# Altium PCB PCB1.PcbDoc (part 12 of 14)
Units mm, origin at the board's own origin, x right, y up, seen from the top; angles counter-clockwise.
Board outline 77.2 x 62.23 mm, 2 copper layers (Top Layer, Bottom Layer); 102 components, 131 nets, 23089 pads, 324 vias.
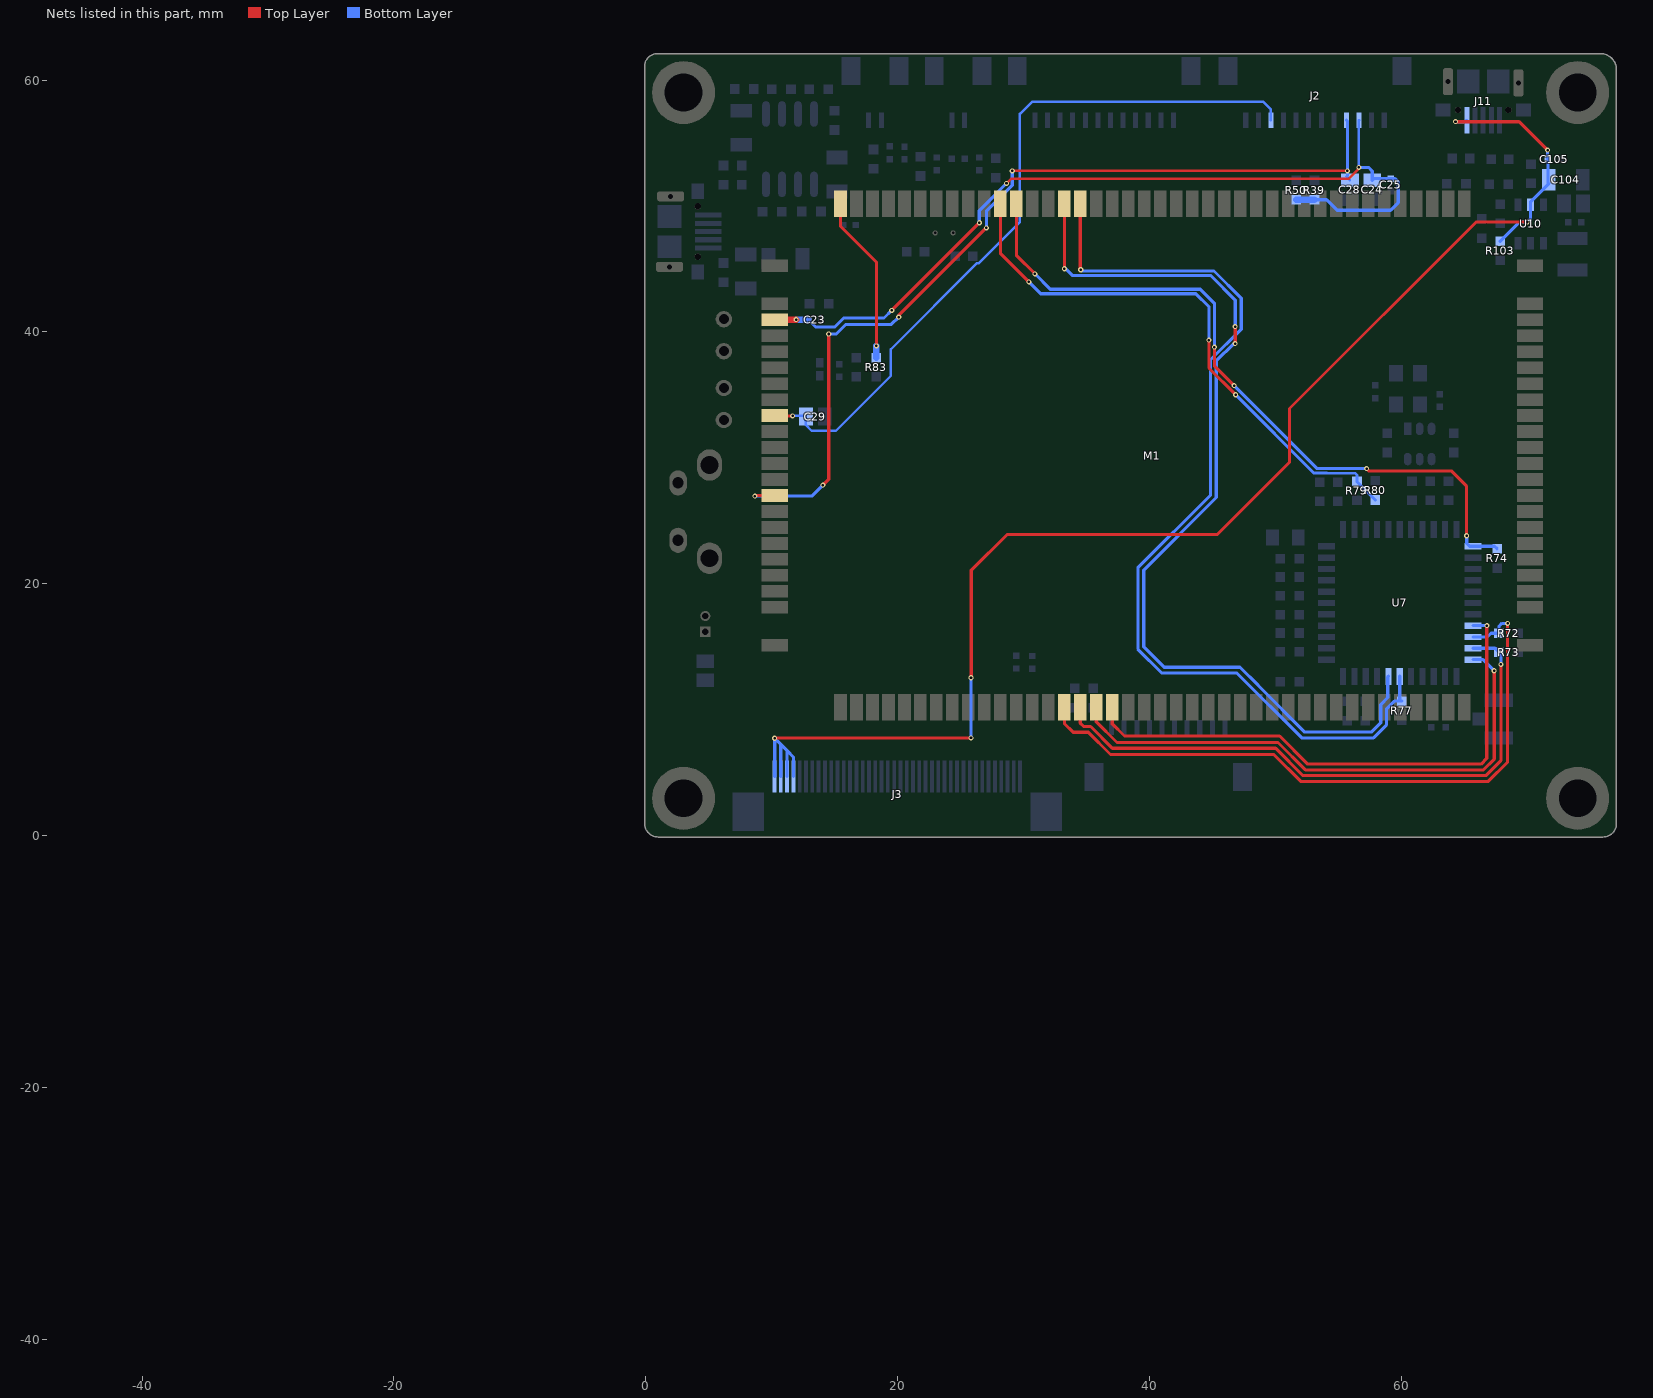
[diagram p12: the nets of this part, all layers, seen from the top]

## Free pads (board coordinates) (continued)
  round 0.001 on Mech2: 1(-45.292,-40.478) 1(-45.292,-40.478) 1(-45.292,-40.478) 1(-45.292,-40.476) 1(-45.292,-40.476) 1(-45.292,-40.476) 1(-45.292,-40.476) 1(-45.292,-40.476) 1(-45.292,-40.476) 1(-45.292,-40.474) 1(-45.292,-40.474) 1(-45.292,-40.474) 1(-45.292,-40.474) 1(-45.292,-40.474) 1(-45.292,-40.474) 1(-45.292,-40.473) 1(-45.292,-40.473) 1(-45.292,-40.473) 1(-45.291,-40.5) 1(-45.291,-40.5) 1(-45.291,-40.5) 1(-45.291,-40.495) 1(-45.291,-40.495) 1(-45.291,-40.495) 1(-45.289,-40.509) 1(-45.289,-40.509) 1(-45.289,-40.509) 1(-45.289,-40.507) 1(-45.289,-40.507) 1(-45.289,-40.507) 1(-45.289,-40.507) 1(-45.289,-40.507) 1(-45.289,-40.507) 1(-45.289,-40.507) 1(-45.289,-40.507) 1(-45.289,-40.507) 1(-45.289,-40.47) 1(-45.289,-40.47) 1(-45.289,-40.47) 1(-45.287,-40.479) 1(-45.287,-40.479) 1(-45.287,-40.479) 1(-45.287,-40.47) 1(-45.287,-40.47) 1(-45.287,-40.47) 1(-45.287,-40.49) 1(-45.287,-40.49) 1(-45.287,-40.49) 1(-45.287,-40.488) 1(-45.287,-40.488) 1(-45.287,-40.488) 1(-45.287,-40.485) 1(-45.287,-40.485) 1(-45.287,-40.485) 1(-45.287,-40.482) 1(-45.287,-40.482) 1(-45.287,-40.482) 1(-45.287,-40.48) 1(-45.287,-40.48) 1(-45.287,-40.48) 1(-45.287,-40.48) 1(-45.287,-40.48) 1(-45.287,-40.48) 1(-45.287,-40.481) 1(-45.287,-40.481) 1(-45.287,-40.481) 1(-45.286,-40.466) 1(-45.286,-40.466) 1(-45.286,-40.466) 1(-45.286,-40.47) 1(-45.286,-40.47) 1(-45.286,-40.47) 1(-45.286,-40.48) 1(-45.286,-40.48) 1(-45.286,-40.48) 1(-45.285,-40.493) 1(-45.285,-40.493) 1(-45.285,-40.493) 1(-45.285,-40.493) 1(-45.285,-40.493) 1(-45.285,-40.493) 1(-45.285,-40.492) 1(-45.285,-40.492) 1(-45.285,-40.492) 1(-45.285,-40.47) 1(-45.285,-40.47) 1(-45.285,-40.47) 1(-45.285,-40.47) 1(-45.285,-40.47) 1(-45.285,-40.47) 1(-45.285,-40.464) 1(-45.285,-40.464) 1(-45.285,-40.464) 1(-45.285,-40.464) 1(-45.285,-40.464) 1(-45.285,-40.464) 1(-45.285,-40.464) 1(-45.285,-40.464) 1(-45.285,-40.464) 1(-45.285,-40.47) 1(-45.285,-40.47) 1(-45.285,-40.47) 1(-45.285,-40.47) 1(-45.285,-40.47) 1(-45.285,-40.47) 1(-45.285,-40.494) 1(-45.285,-40.494) 1(-45.285,-40.494) 1(-45.284,-40.509) 1(-45.284,-40.509) 1(-45.284,-40.509) 1(-45.284,-40.466) 1(-45.284,-40.466) 1(-45.284,-40.466) 1(-45.284,-40.466) 1(-45.284,-40.466) 1(-45.284,-40.466) 1(-45.284,-40.501) 1(-45.284,-40.501) 1(-45.284,-40.501) 1(-45.284,-40.5) 1(-45.284,-40.5) 1(-45.284,-40.5) 1(-45.284,-40.472) 1(-45.284,-40.472) 1(-45.284,-40.472) 1(-45.284,-40.471) 1(-45.284,-40.471) 1(-45.284,-40.471) 1(-45.284,-40.47) 1(-45.284,-40.47) 1(-45.284,-40.47) 1(-45.284,-40.47) 1(-45.284,-40.47) 1(-45.284,-40.47) 1(-45.284,-40.467) 1(-45.284,-40.467) 1(-45.284,-40.467) 1(-45.284,-40.466) 1(-45.284,-40.466) 1(-45.284,-40.466) 1(-45.284,-40.466) 1(-45.284,-40.466) 1(-45.284,-40.466) 1(-45.284,-40.466) 1(-45.284,-40.466) 1(-45.284,-40.466) 1(-45.284,-40.465) 1(-45.284,-40.465) 1(-45.284,-40.465) 1(-45.284,-40.464) 1(-45.284,-40.464) 1(-45.284,-40.464) 1(-45.283,-40.509) 1(-45.283,-40.509) 1(-45.283,-40.509) 1(-45.283,-40.474) 1(-45.283,-40.474) 1(-45.283,-40.474) 1(-45.283,-40.472) 1(-45.283,-40.472) 1(-45.283,-40.472) 1(-45.283,-40.472) 1(-45.283,-40.472) 1(-45.283,-40.472) 1(-45.283,-40.501) 1(-45.283,-40.501) 1(-45.283,-40.501) 1(-45.283,-40.5) 1(-45.283,-40.5) 1(-45.283,-40.5) 1(-45.283,-40.472) 1(-45.283,-40.472) 1(-45.283,-40.472) 1(-45.283,-40.472) 1(-45.283,-40.472) 1(-45.283,-40.472) 1(-45.283,-40.471) 1(-45.283,-40.471) 1(-45.283,-40.471) 1(-45.283,-40.467) 1(-45.283,-40.467) 1(-45.283,-40.467) 1(-45.283,-40.467) 1(-45.283,-40.467) 1(-45.283,-40.467) 1(-45.283,-40.467) 1(-45.283,-40.467) 1(-45.283,-40.467) 1(-45.283,-40.466) 1(-45.283,-40.466) 1(-45.283,-40.466) 1(-45.283,-40.466) 1(-45.283,-40.466) 1(-45.283,-40.466) 1(-45.283,-40.465) 1(-45.283,-40.465) 1(-45.283,-40.465) 1(-45.282,-40.464) 1(-45.282,-40.464) 1(-45.282,-40.464) 1(-45.282,-40.486) 1(-45.282,-40.486) 1(-45.282,-40.486) 1(-45.282,-40.485) 1(-45.282,-40.485) 1(-45.282,-40.485) 1(-45.282,-40.494) 1(-45.282,-40.494) 1(-45.282,-40.494) 1(-45.282,-40.493) 1(-45.282,-40.493) 1(-45.282,-40.493) 1(-45.282,-40.493) 1(-45.282,-40.493) 1(-45.282,-40.493) 1(-45.282,-40.482) 1(-45.282,-40.482) 1(-45.282,-40.482) 1(-45.282,-40.481) 1(-45.282,-40.481) 1(-45.282,-40.481) 1(-45.282,-40.481) 1(-45.282,-40.481) 1(-45.282,-40.481) 1(-45.282,-40.509) 1(-45.282,-40.509) 1(-45.282,-40.509) 1(-45.282,-40.481) 1(-45.282,-40.481) 1(-45.282,-40.481) 1(-45.282,-40.473) 1(-45.282,-40.473) 1(-45.282,-40.473) 1(-45.282,-40.473) 1(-45.282,-40.473) 1(-45.282,-40.473) 1(-45.282,-40.472) 1(-45.282,-40.472) 1(-45.282,-40.472) 1(-45.282,-40.472) 1(-45.282,-40.472) 1(-45.282,-40.472) 1(-45.282,-40.471) 1(-45.282,-40.471) 1(-45.282,-40.471) 1(-45.282,-40.467) 1(-45.282,-40.467) 1(-45.282,-40.467) 1(-45.282,-40.466) 1(-45.282,-40.466) 1(-45.282,-40.466) 1(-45.282,-40.465) 1(-45.282,-40.465) 1(-45.282,-40.465) 1(-45.282,-40.465) 1(-45.282,-40.465) 1(-45.282,-40.465) 1(-45.282,-40.465) 1(-45.282,-40.465) 1(-45.282,-40.465) 1(-45.282,-40.481) 1(-45.282,-40.481) 1(-45.282,-40.481) 1(-45.281,-40.487) 1(-45.281,-40.487) 1(-45.281,-40.487) 1(-45.281,-40.487) 1(-45.281,-40.487) 1(-45.281,-40.487) 1(-45.281,-40.474) 1(-45.281,-40.474) 1(-45.281,-40.474) 1(-45.281,-40.473) 1(-45.281,-40.473) 1(-45.281,-40.473) 1(-45.281,-40.473) 1(-45.281,-40.473) 1(-45.281,-40.473) 1(-45.281,-40.477) 1(-45.281,-40.477) 1(-45.281,-40.477) 1(-45.281,-40.477) 1(-45.281,-40.477) 1(-45.281,-40.477) 1(-45.281,-40.477) 1(-45.281,-40.477) 1(-45.281,-40.477) 1(-45.281,-40.493) 1(-45.281,-40.493) 1(-45.281,-40.493) 1(-45.281,-40.493) 1(-45.281,-40.493) 1(-45.281,-40.493) 1(-45.281,-40.509) 1(-45.281,-40.509) 1(-45.281,-40.509) 1(-45.281,-40.509) 1(-45.281,-40.509) 1(-45.281,-40.509) 1(-45.281,-40.482) 1(-45.281,-40.482) 1(-45.281,-40.482) 1(-45.281,-40.485) 1(-45.281,-40.485) 1(-45.281,-40.485) 1(-45.281,-40.485) 1(-45.281,-40.485) 1(-45.281,-40.485) 1(-45.281,-40.464) 1(-45.281,-40.464) 1(-45.281,-40.464) 1(-45.281,-40.481) 1(-45.281,-40.481) 1(-45.281,-40.481) 1(-45.28,-40.509) 1(-45.28,-40.509) 1(-45.28,-40.509) 1(-45.28,-40.472) 1(-45.28,-40.472) 1(-45.28,-40.472) 1(-45.28,-40.472) 1(-45.28,-40.472) 1(-45.28,-40.472) 1(-45.28,-40.472) 1(-45.28,-40.472) 1(-45.28,-40.472) 1(-45.28,-40.471) 1(-45.28,-40.471) 1(-45.28,-40.471) 1(-45.28,-40.47) 1(-45.28,-40.47) 1(-45.28,-40.47) 1(-45.28,-40.47) 1(-45.28,-40.47) 1(-45.28,-40.47) 1(-45.28,-40.467) 1(-45.28,-40.467) 1(-45.28,-40.467) 1(-45.28,-40.466) 1(-45.28,-40.466) 1(-45.28,-40.466) 1(-45.28,-40.465) 1(-45.28,-40.465) 1(-45.28,-40.465) 1(-45.28,-40.464) 1(-45.28,-40.464) 1(-45.28,-40.464) 1(-45.28,-40.464) 1(-45.28,-40.464) 1(-45.28,-40.464) 1(-45.28,-40.472) 1(-45.28,-40.472) 1(-45.28,-40.472) 1(-45.28,-40.472) 1(-45.28,-40.472) 1(-45.28,-40.472) 1(-45.28,-40.487) 1(-45.28,-40.487) 1(-45.28,-40.487) 1(-45.28,-40.487) 1(-45.28,-40.487) 1(-45.28,-40.487) 1(-45.28,-40.486) 1(-45.28,-40.486) 1(-45.28,-40.486) 1(-45.28,-40.487) 1(-45.28,-40.487) 1(-45.28,-40.487) 1(-45.28,-40.487) 1(-45.28,-40.487) 1(-45.28,-40.487) 1(-45.28,-40.477) 1(-45.28,-40.477) 1(-45.28,-40.477) 1(-45.28,-40.477) 1(-45.28,-40.477) 1(-45.28,-40.477) 1(-45.279,-40.493) 1(-45.279,-40.493) 1(-45.279,-40.493) 1(-45.279,-40.478) 1(-45.279,-40.478) 1(-45.279,-40.478) 1(-45.279,-40.478) 1(-45.279,-40.478) 1(-45.279,-40.478) 1(-45.279,-40.508) 1(-45.279,-40.508) 1(-45.279,-40.508) 1(-45.278,-40.478) 1(-45.278,-40.478) 1(-45.278,-40.478) 1(-45.278,-40.478) 1(-45.278,-40.478) 1(-45.278,-40.478) 1(-45.278,-40.472) 1(-45.278,-40.472) 1(-45.278,-40.472) 1(-45.278,-40.472) 1(-45.278,-40.472) 1(-45.278,-40.472) 1(-45.278,-40.469) 1(-45.278,-40.469) 1(-45.278,-40.469) 1(-45.278,-40.469) 1(-45.278,-40.469) 1(-45.278,-40.469) 1(-45.278,-40.487) 1(-45.278,-40.487) 1(-45.278,-40.487) 1(-45.278,-40.487) 1(-45.278,-40.487) 1(-45.278,-40.487) 1(-45.278,-40.486) 1(-45.278,-40.486) 1(-45.278,-40.486) 1(-45.278,-40.474) 1(-45.278,-40.474) 1(-45.278,-40.474) 1(-45.278,-40.474) 1(-45.278,-40.474) 1(-45.278,-40.474) 1(-45.278,-40.473) 1(-45.278,-40.473) 1(-45.278,-40.473) 1(-45.278,-40.473) 1(-45.278,-40.473) 1(-45.278,-40.473) 1(-45.278,-40.472) 1(-45.278,-40.472) 1(-45.278,-40.472) 1(-45.278,-40.472) 1(-45.278,-40.472) 1(-45.278,-40.472) 1(-45.278,-40.475) 1(-45.278,-40.475) 1(-45.278,-40.475) 1(-45.278,-40.485) 1(-45.278,-40.485) 1(-45.278,-40.485) 1(-45.278,-40.485) 1(-45.278,-40.485) 1(-45.278,-40.485) 1(-45.278,-40.508) 1(-45.278,-40.508) 1(-45.278,-40.508) 1(-45.277,-40.475) 1(-45.277,-40.475) 1(-45.277,-40.475) 1(-45.277,-40.487) 1(-45.277,-40.487) 1(-45.277,-40.487) 1(-45.277,-40.485) 1(-45.277,-40.485) 1(-45.277,-40.485) 1(-45.277,-40.475) 1(-45.277,-40.475) 1(-45.277,-40.475) 1(-45.277,-40.475) 1(-45.277,-40.475) 1(-45.277,-40.475) 1(-45.277,-40.473) 1(-45.277,-40.473) 1(-45.277,-40.473) 1(-45.276,-40.48) 1(-45.276,-40.48) 1(-45.276,-40.48) 1(-45.276,-40.48) 1(-45.276,-40.48) 1(-45.276,-40.48) 1(-45.275,-40.485) 1(-45.275,-40.485) 1(-45.275,-40.485) 1(-45.275,-40.484) 1(-45.275,-40.484) 1(-45.275,-40.484) 1(-45.274,-40.516) 1(-45.274,-40.516) 1(-45.274,-40.516) 1(-45.274,-40.511) 1(-45.274,-40.511) 1(-45.274,-40.511) 1(-45.271,-40.503) 1(-45.271,-40.503) 1(-45.271,-40.503) 1(-45.271,-40.507) 1(-45.271,-40.507) 1(-45.271,-40.507) 1(-45.271,-40.505) 1(-45.271,-40.505) 1(-45.271,-40.505) 1(-45.271,-40.502) 1(-45.271,-40.502) 1(-45.271,-40.502) 1(-45.271,-40.5) 1(-45.271,-40.5) 1(-45.271,-40.5) 1(-45.271,-40.48) 1(-45.271,-40.48) 1(-45.271,-40.48) 1(-45.271,-40.48) 1(-45.271,-40.48) 1(-45.271,-40.48) 1(-45.271,-40.508) 1(-45.271,-40.508) 1(-45.271,-40.508) 1(-45.271,-40.508) 1(-45.271,-40.508) 1(-45.271,-40.508) 1(-45.271,-40.508) 1(-45.271,-40.508) 1(-45.271,-40.508) 1(-45.27,-40.509) 1(-45.27,-40.509) 1(-45.27,-40.509) 1(-45.27,-40.504) 1(-45.27,-40.504) 1(-45.27,-40.504) 1(-45.27,-40.503) 1(-45.27,-40.503) 1(-45.27,-40.503) 1(-45.27,-40.503) 1(-45.27,-40.503) 1(-45.27,-40.503) 1(-45.27,-40.503) 1(-45.27,-40.503) 1(-45.27,-40.503) 1(-45.27,-40.503) 1(-45.27,-40.503) 1(-45.27,-40.503) 1(-45.269,-40.516) 1(-45.269,-40.516) 1(-45.269,-40.516) 1(-45.269,-40.516) 1(-45.269,-40.516) 1(-45.269,-40.516) 1(-45.269,-40.515) 1(-45.269,-40.515) 1(-45.269,-40.515) 1(-45.268,-40.516) 1(-45.268,-40.516) 1(-45.268,-40.516) 1(-45.268,-40.516) 1(-45.268,-40.516) 1(-45.268,-40.516) 1(-45.268,-40.477) 1(-45.268,-40.477) 1(-45.268,-40.477) 1(-45.268,-40.477) 1(-45.268,-40.477) 1(-45.268,-40.477) 1(-45.268,-40.477) 1(-45.268,-40.477) 1(-45.268,-40.477) 1(-45.267,-40.516) 1(-45.267,-40.516) 1(-45.267,-40.516) 1(-45.267,-40.516) 1(-45.267,-40.516) 1(-45.267,-40.516) 1(-45.267,-40.516) 1(-45.267,-40.516) 1(-45.267,-40.516) 1(-45.267,-40.516) 1(-45.267,-40.516) 1(-45.267,-40.516) 1(-45.267,-40.516) 1(-45.267,-40.516) 1(-45.267,-40.516) 1(-45.267,-40.515) 1(-45.267,-40.515) 1(-45.267,-40.515) 1(-45.265,-40.516) 1(-45.265,-40.516) 1(-45.265,-40.516) 1(-45.265,-40.516) 1(-45.265,-40.516) 1(-45.265,-40.516) 1(-45.265,-40.516) 1(-45.265,-40.516) 1(-45.265,-40.516) 1(-45.265,-40.516) 1(-45.265,-40.516) 1(-45.265,-40.516) 1(-45.265,-40.516) 1(-45.265,-40.516) 1(-45.265,-40.516) 1(-45.265,-40.515) 1(-45.265,-40.515) 1(-45.265,-40.515) 1(-45.263,-40.516) 1(-45.263,-40.516) 1(-45.263,-40.516) 1(-45.263,-40.516) 1(-45.263,-40.516) 1(-45.263,-40.516) 1(-45.263,-40.516) 1(-45.263,-40.516) 1(-45.263,-40.516) 1(-45.263,-40.516) 1(-45.263,-40.516) 1(-45.263,-40.516) 1(-45.263,-40.515) 1(-45.263,-40.515) 1(-45.263,-40.515) 1(-45.263,-40.5) 1(-45.263,-40.5) 1(-45.263,-40.5) 1(-45.262,-40.5) 1(-45.262,-40.5) 1(-45.262,-40.5) 1(-45.262,-40.5) 1(-45.262,-40.5) 1(-45.262,-40.5) 1(-45.262,-40.501) 1(-45.262,-40.501) 1(-45.262,-40.501) 1(-45.26,-40.512) 1(-45.26,-40.512) 1(-45.26,-40.512) 1(-45.259,-40.516) 1(-45.259,-40.516) 1(-45.259,-40.516) 1(-45.258,-40.516) 1(-45.258,-40.516) 1(-45.258,-40.516) 1(-45.258,-40.516) 1(-45.258,-40.516) 1(-45.258,-40.516) 1(-45.258,-40.513) 1(-45.258,-40.513) 1(-45.258,-40.513) 1(-45.258,-40.512) 1(-45.258,-40.512) 1(-45.258,-40.512) 1(-45.258,-40.516) 1(-45.258,-40.516) 1(-45.258,-40.516) 1(-45.258,-40.516) 1(-45.258,-40.516) 1(-45.258,-40.516) 1(-45.258,-40.516) 1(-45.258,-40.516) 1(-45.258,-40.516) 1(-45.257,-40.508) 1(-45.257,-40.508) 1(-45.257,-40.508) 1(-45.257,-40.507) 1(-45.257,-40.507) 1(-45.257,-40.507) 1(-45.257,-40.507) 1(-45.257,-40.507) 1(-45.257,-40.507) 1(-45.257,-40.504) 1(-45.257,-40.504) 1(-45.257,-40.504) 1(-45.257,-40.504) 1(-45.257,-40.504) 1(-45.257,-40.504) 1(-45.257,-40.503) 1(-45.257,-40.503) 1(-45.257,-40.503) 1(-45.257,-40.507) 1(-45.257,-40.507) 1(-45.257,-40.507) 1(-45.257,-40.507) 1(-45.257,-40.507) 1(-45.257,-40.507) 1(-45.257,-40.504) 1(-45.257,-40.504) 1(-45.257,-40.504) 1(-45.257,-40.504) 1(-45.257,-40.504) 1(-45.257,-40.504) 1(-45.257,-40.507) 1(-45.257,-40.507) 1(-45.257,-40.507) 1(-45.257,-40.504) 1(-45.257,-40.504) 1(-45.257,-40.504) 1(-45.257,-40.504) 1(-45.257,-40.504) 1(-45.257,-40.504) 1(-45.257,-40.503) 1(-45.257,-40.503) 1(-45.257,-40.503) 1(-45.254,-40.513) 1(-45.254,-40.513) 1(-45.254,-40.513) 1(-45.254,-40.515) 1(-45.254,-40.515) 1(-45.254,-40.515) 1(-45.254,-40.513) 1(-45.254,-40.513) 1(-45.254,-40.513) 1(-45.254,-40.513) 1(-45.254,-40.513) 1(-45.254,-40.513) 1(-45.252,-40.516) 1(-45.252,-40.516) 1(-45.252,-40.516) 1(-45.252,-40.516) 1(-45.252,-40.516) 1(-45.252,-40.516) 1(-45.252,-40.516) 1(-45.252,-40.516) 1(-45.252,-40.516) 1(-45.252,-40.516) 1(-45.252,-40.516) 1(-45.252,-40.516) 1(-45.252,-40.515) 1(-45.252,-40.515) 1(-45.252,-40.515) 1(-45.247,-40.496) 1(-45.247,-40.496) 1(-45.247,-40.496) 1(-45.247,-40.496) 1(-45.247,-40.496) 1(-45.247,-40.496) 1(-45.247,-40.494) 1(-45.247,-40.494) 1(-45.247,-40.494) 1(-45.247,-40.506) 1(-45.247,-40.506) 1(-45.247,-40.506) 1(-45.247,-40.503) 1(-45.247,-40.503) 1(-45.247,-40.503) 1(-45.247,-40.503) 1(-45.247,-40.503) 1(-45.247,-40.503) 1(-45.247,-40.503) 1(-45.247,-40.503) 1(-45.247,-40.503) 1(-45.246,-40.497) 1(-45.246,-40.497) 1(-45.246,-40.497) 1(-45.246,-40.497) 1(-45.246,-40.497) 1(-45.246,-40.497) 1(-45.245,-40.497) 1(-45.245,-40.497) 1(-45.245,-40.497) 1(-45.245,-40.497) 1(-45.245,-40.497) 1(-45.245,-40.497) 1(-45.243,-40.501) 1(-45.243,-40.501) 1(-45.243,-40.501) 1(-45.243,-40.506) 1(-45.243,-40.506) 1(-45.243,-40.506) 1(-45.243,-40.506) 1(-45.243,-40.506) 1(-45.243,-40.506) 1(-45.243,-40.509) 1(-45.243,-40.509) 1(-45.243,-40.509) 1(-45.243,-40.507) 1(-45.243,-40.507) 1(-45.243,-40.507) 1(-45.243,-40.507) 1(-45.243,-40.507) 1(-45.243,-40.507) 1(-45.243,-40.507) 1(-45.243,-40.507) 1(-45.243,-40.507) 1(-45.243,-40.507) 1(-45.243,-40.507) 1(-45.243,-40.507) 1(-45.243,-40.506) 1(-45.243,-40.506) 1(-45.243,-40.506) 1(-45.243,-40.506) 1(-45.243,-40.506) 1(-45.243,-40.506) 1(-45.243,-40.506) 1(-45.243,-40.506) 1(-45.243,-40.506) 1(-45.243,-40.506) 1(-45.243,-40.506) 1(-45.243,-40.506) 1(-45.243,-40.503) 1(-45.243,-40.503) 1(-45.243,-40.503) 1(-45.243,-40.503) 1(-45.243,-40.503) 1(-45.243,-40.503) 1(-45.243,-40.503) 1(-45.243,-40.503) 1(-45.243,-40.503) 1(-45.243,-40.503) 1(-45.243,-40.503) 1(-45.243,-40.503) 1(-45.243,-40.501) 1(-45.243,-40.501) 1(-45.243,-40.501) 1(-45.243,-40.501) 1(-45.243,-40.501) 1(-45.243,-40.501) 1(-45.242,-40.473) 1(-45.242,-40.473) 1(-45.242,-40.473) 1(-45.241,-40.495) 1(-45.241,-40.495) 1(-45.241,-40.495) 1(-45.241,-40.495) 1(-45.241,-40.495) 1(-45.241,-40.495) 1(-45.241,-40.495) 1(-45.241,-40.495) 1(-45.241,-40.495) 1(-45.241,-40.473) 1(-45.241,-40.473) 1(-45.241,-40.473) 1(-45.24,-40.497) 1(-45.24,-40.497) 1(-45.24,-40.497) 1(-45.24,-40.497) 1(-45.24,-40.497) 1(-45.24,-40.497) 1(-45.24,-40.499) 1(-45.24,-40.499) 1(-45.24,-40.499) 1(-45.24,-40.499) 1(-45.24,-40.499) 1(-45.24,-40.499) 1(-45.24,-40.497) 1(-45.24,-40.497) 1(-45.24,-40.497) 1(-45.24,-40.497) 1(-45.24,-40.497) 1(-45.24,-40.497) 1(-45.24,-40.5) 1(-45.24,-40.5) 1(-45.24,-40.5) 1(-45.24,-40.5) 1(-45.24,-40.5) 1(-45.24,-40.5) 1(-45.24,-40.5) 1(-45.24,-40.5) 1(-45.24,-40.5) 1(-45.24,-40.5) 1(-45.24,-40.5) 1(-45.24,-40.5) 1(-45.239,-40.514) 1(-45.239,-40.514) 1(-45.239,-40.514) 1(-45.239,-40.514) 1(-45.239,-40.514) 1(-45.239,-40.514) 1(-45.239,-40.511) 1(-45.239,-40.511) 1(-45.239,-40.511) 1(-45.239,-40.514) 1(-45.239,-40.514) 1(-45.239,-40.514) 1(-45.239,-40.514) 1(-45.239,-40.514) 1(-45.239,-40.514) 1(-45.239,-40.495) 1(-45.239,-40.495) 1(-45.239,-40.495) 1(-45.238,-40.514) 1(-45.238,-40.514) 1(-45.238,-40.514) 1(-45.238,-40.5) 1(-45.238,-40.5) 1(-45.238,-40.5) 1(-45.238,-40.5) 1(-45.238,-40.5) 1(-45.238,-40.5) 1(-45.238,-40.514) 1(-45.238,-40.514) 1(-45.238,-40.514) 1(-45.238,-40.513) 1(-45.238,-40.513) 1(-45.238,-40.513) 1(-45.237,-40.501) 1(-45.237,-40.501) 1(-45.237,-40.501) 1(-45.237,-40.501) 1(-45.237,-40.501) 1(-45.237,-40.501) 1(-45.237,-40.514) 1(-45.237,-40.514) 1(-45.237,-40.514) 1(-45.237,-40.513) 1(-45.237,-40.513) 1(-45.237,-40.513) 1(-45.237,-40.513) 1(-45.237,-40.513) 1(-45.237,-40.513) 1(-45.236,-40.513) 1(-45.236,-40.513) 1(-45.236,-40.513) 1(-45.236,-40.513) 1(-45.236,-40.513) 1(-45.236,-40.513) 1(-45.236,-40.511) 1(-45.236,-40.511) 1(-45.236,-40.511) 1(-45.236,-40.511) 1(-45.236,-40.511) 1(-45.236,-40.511) 1(-45.236,-40.502) 1(-45.236,-40.502) 1(-45.236,-40.502) 1(-45.236,-40.502) 1(-45.236,-40.502) 1(-45.236,-40.502) 1(-45.236,-40.495) 1(-45.236,-40.495) 1(-45.236,-40.495) 1(-45.234,-40.495) 1(-45.234,-40.495) 1(-45.234,-40.495) 1(-45.234,-40.495) 1(-45.234,-40.495) 1(-45.234,-40.495) 1(-45.233,-40.494) 1(-45.233,-40.494) 1(-45.233,-40.494) 1(-45.233,-40.493) 1(-45.233,-40.493) 1(-45.233,-40.493) 1(-45.233,-40.499) 1(-45.233,-40.499) 1(-45.233,-40.499) 1(-45.233,-40.497) 1(-45.233,-40.497) 1(-45.233,-40.497) 1(-45.233,-40.497) 1(-45.233,-40.497) 1(-45.233,-40.497) 1(-45.233,-40.495) 1(-45.233,-40.495) 1(-45.233,-40.495) 1(-45.233,-40.495) 1(-45.233,-40.495) 1(-45.233,-40.495) 1(-45.233,-40.497) 1(-45.233,-40.497) 1(-45.233,-40.497) 1(-45.233,-40.495) 1(-45.233,-40.495) 1(-45.233,-40.495) 1(-45.232,-40.494) 1(-45.232,-40.494) 1(-45.232,-40.494) 1(-45.232,-40.493) 1(-45.232,-40.493) 1(-45.232,-40.493) 1(-45.232,-40.491) 1(-45.232,-40.491) 1(-45.232,-40.491) 1(-45.232,-40.491) 1(-45.232,-40.491) 1(-45.232,-40.491) 1(-45.232,-40.499) 1(-45.232,-40.499) 1(-45.232,-40.499) 1(-45.232,-40.498) 1(-45.232,-40.498) 1(-45.232,-40.498) 1(-45.232,-40.498) 1(-45.232,-40.498) 1(-45.232,-40.498) 1(-45.231,-40.497) 1(-45.231,-40.497) 1(-45.231,-40.497) 1(-45.231,-40.497) 1(-45.231,-40.497) 1(-45.231,-40.497) 1(-45.231,-40.497) 1(-45.231,-40.497) 1(-45.231,-40.497) 1(-45.231,-40.515) 1(-45.231,-40.515) 1(-45.231,-40.515) 1(-45.231,-40.494) 1(-45.231,-40.494) 1(-45.231,-40.494) 1(-45.231,-40.493) 1(-45.231,-40.493) 1(-45.231,-40.493) 1(-45.231,-40.491) 1(-45.231,-40.491) 1(-45.231,-40.491) 1(-45.231,-40.491) 1(-45.231,-40.491) 1(-45.231,-40.491) 1(-45.231,-40.5) 1(-45.231,-40.5) 1(-45.231,-40.5) 1(-45.231,-40.5) 1(-45.231,-40.5) 1(-45.231,-40.5) 1(-45.231,-40.499) 1(-45.231,-40.499) 1(-45.231,-40.499) 1(-45.231,-40.5) 1(-45.231,-40.5) 1(-45.231,-40.5) 1(-45.231,-40.5) 1(-45.231,-40.5) 1(-45.231,-40.5) 1(-45.23,-40.515) 1(-45.23,-40.515) 1(-45.23,-40.515) 1(-45.23,-40.515) 1(-45.23,-40.515) 1(-45.23,-40.515) 1(-45.23,-40.497) 1(-45.23,-40.497) 1(-45.23,-40.497) 1(-45.23,-40.497) 1(-45.23,-40.497) 1(-45.23,-40.497) 1(-45.23,-40.497) 1(-45.23,-40.497) 1(-45.23,-40.497) 1(-45.23,-40.5) 1(-45.23,-40.5) 1(-45.23,-40.5) 1(-45.23,-40.5) 1(-45.23,-40.5) 1(-45.23,-40.5) 1(-45.229,-40.5) 1(-45.229,-40.5) 1(-45.229,-40.5) 1(-45.229,-40.5) 1(-45.229,-40.5) 1(-45.229,-40.5) 1(-45.229,-40.499) 1(-45.229,-40.499) 1(-45.229,-40.499) 1(-45.229,-40.497) 1(-45.229,-40.497) 1(-45.229,-40.497) 1(-45.229,-40.497) 1(-45.229,-40.497) 1(-45.229,-40.497) 1(-45.229,-40.515) 1(-45.229,-40.515) 1(-45.229,-40.515) 1(-45.229,-40.515) 1(-45.229,-40.515) 1(-45.229,-40.515) 1(-45.228,-40.463) 1(-45.228,-40.463) 1(-45.228,-40.463) 1(-45.228,-40.497) 1(-45.228,-40.497) 1(-45.228,-40.497) 1(-45.228,-40.497) 1(-45.228,-40.497) 1(-45.228,-40.497) 1(-45.227,-40.514) 1(-45.227,-40.514) 1(-45.227,-40.514) 1(-45.226,-40.463) 1(-45.226,-40.463) 1(-45.226,-40.463) 1(-45.226,-40.515) 1(-45.226,-40.515) 1(-45.226,-40.515) 1(-45.226,-40.512) 1(-45.226,-40.512) 1(-45.226,-40.512) 1(-45.224,-40.509) 1(-45.224,-40.509) 1(-45.224,-40.509) 1(-45.224,-40.507) 1(-45.224,-40.507) 1(-45.224,-40.507) 1(-45.224,-40.507) 1(-45.224,-40.507) 1(-45.224,-40.507) 1(-45.224,-40.5) 1(-45.224,-40.5) 1(-45.224,-40.5) 1(-45.224,-40.5) 1(-45.224,-40.5) 1(-45.224,-40.5) 1(-45.223,-40.47) 1(-45.223,-40.47) 1(-45.223,-40.47) 1(-45.223,-40.47) 1(-45.223,-40.47) 1(-45.223,-40.47) 1(-45.223,-40.468) 1(-45.223,-40.468) 1(-45.223,-40.468) 1(-45.223,-40.47) 1(-45.223,-40.47) 1(-45.223,-40.47)